# Altium PCB DWJC_Board2.PcbDoc (part 1 of 3) (continued)
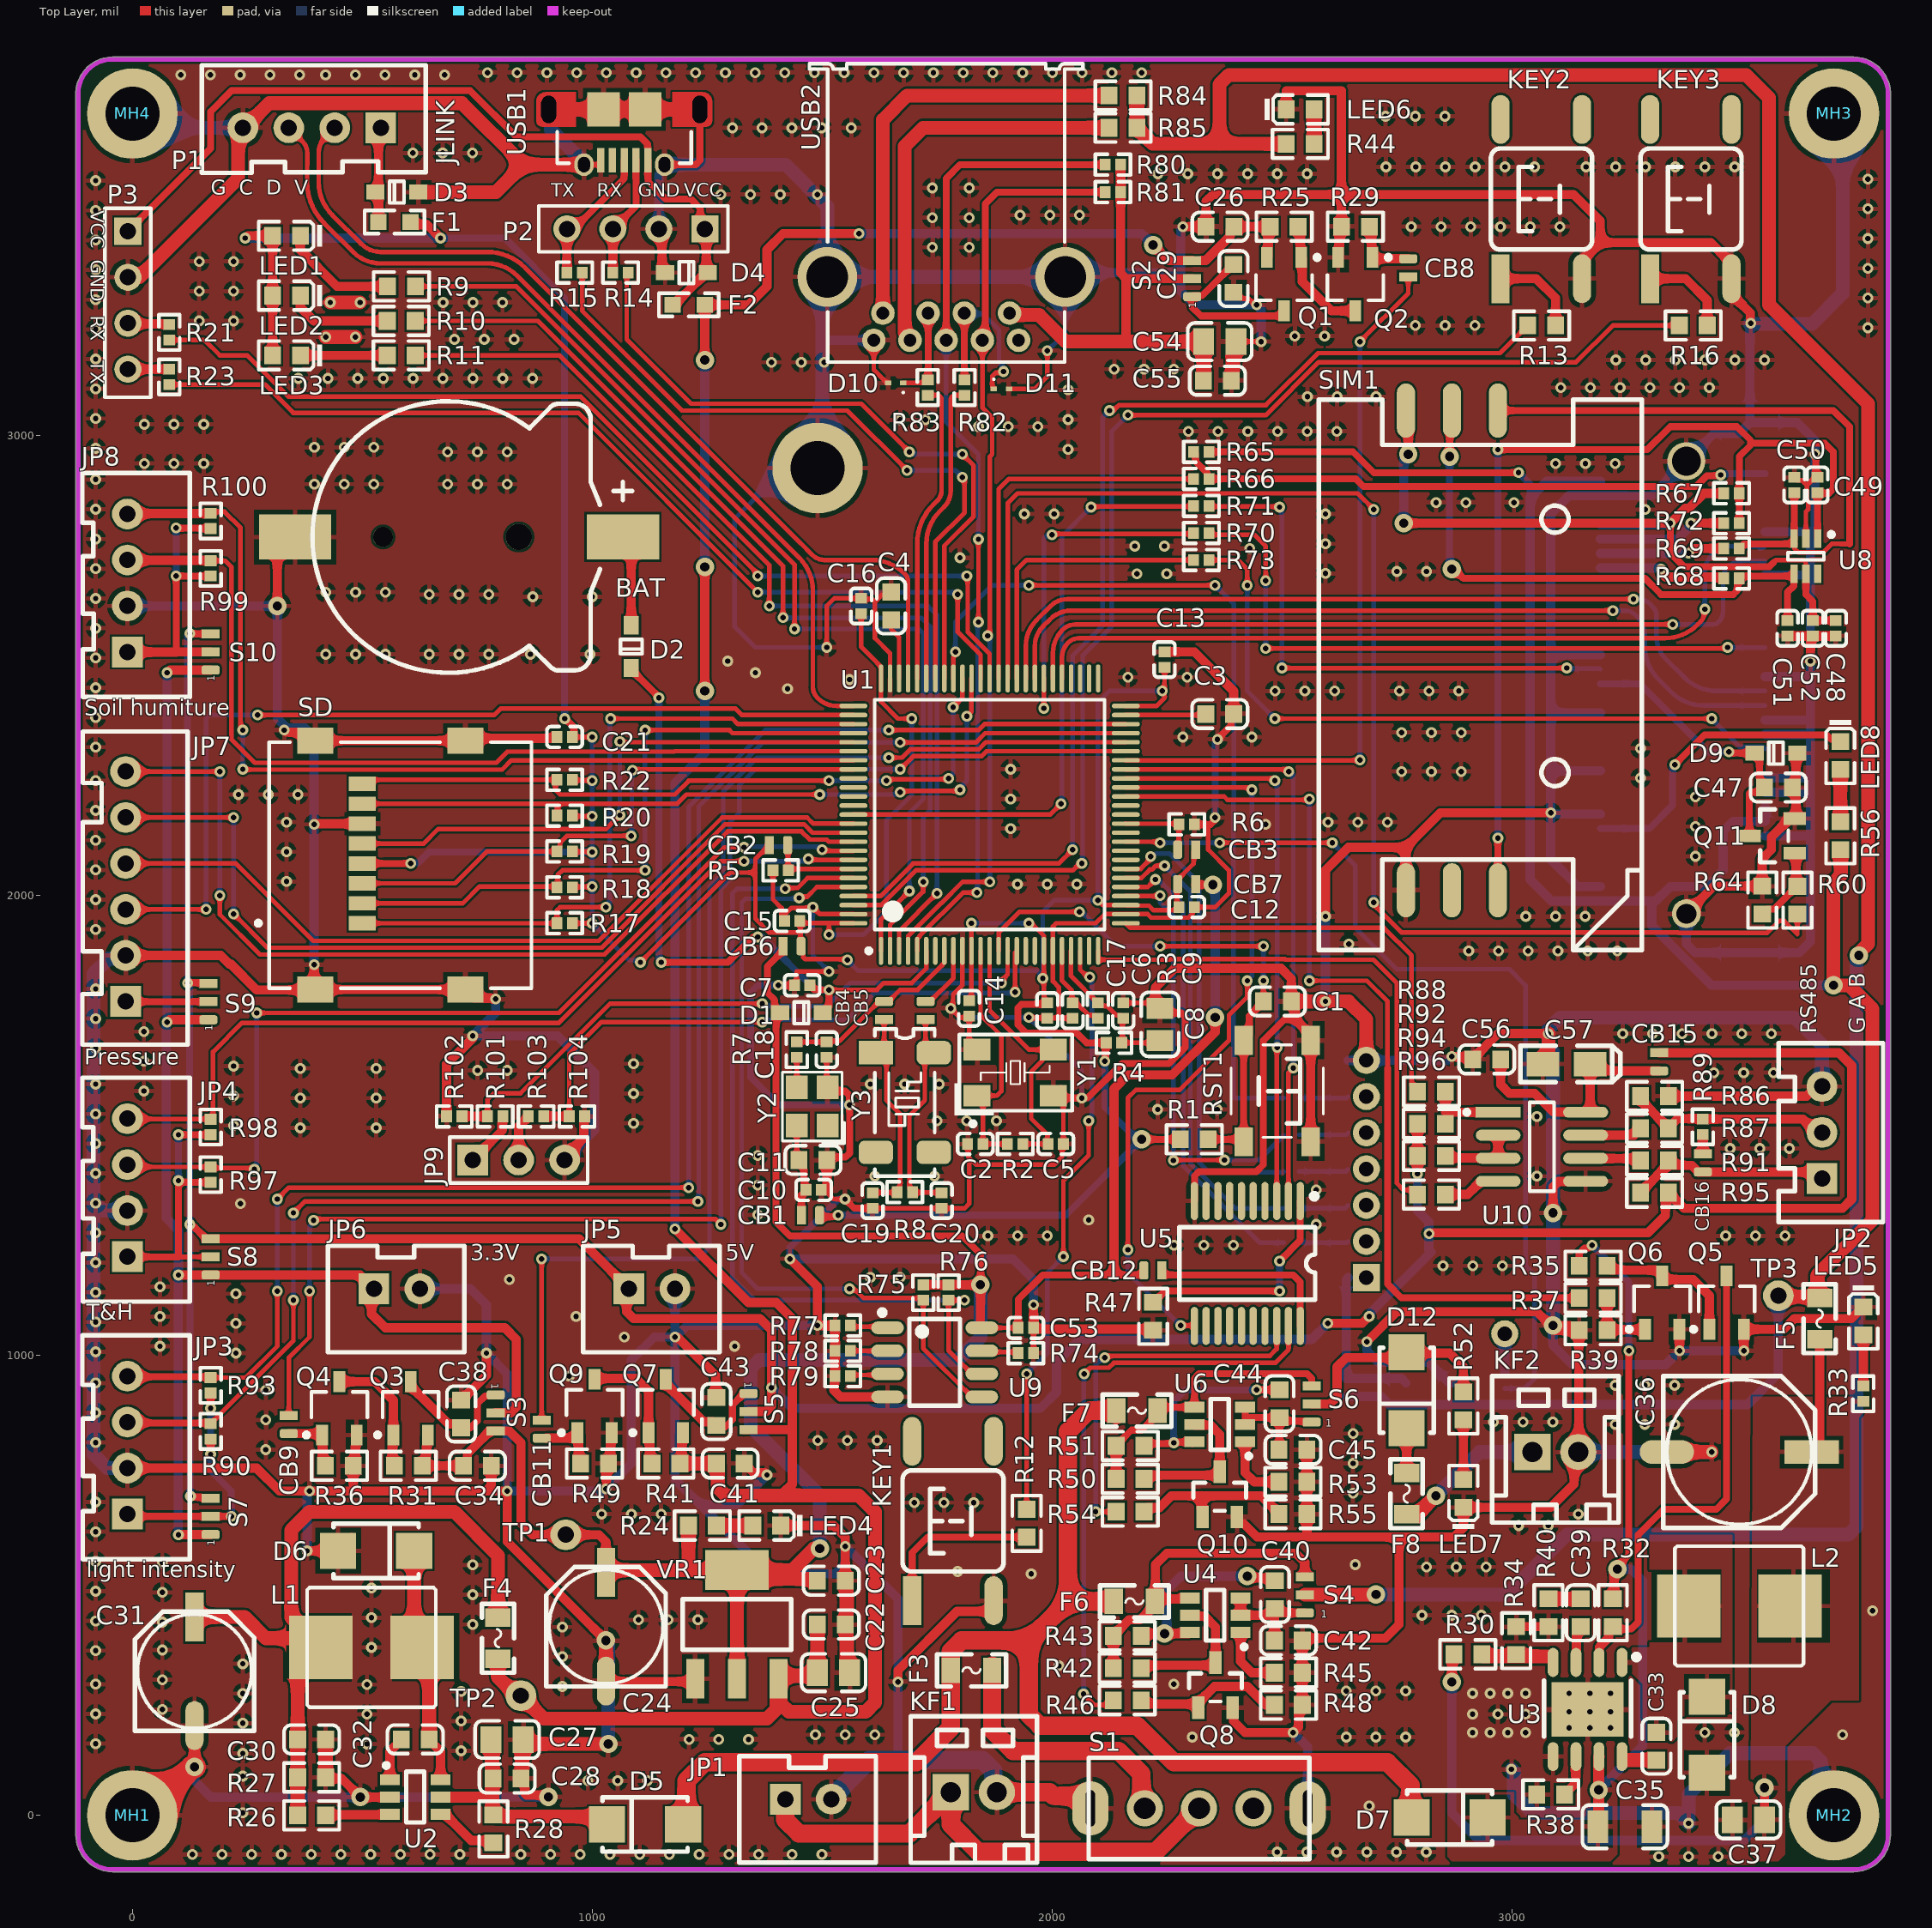
[diagram p0: Top Layer view]
## Components (designator, comment, footprint, x,y, rotation, side; value= is the part's Value field where it differs from the comment) (continued)
S2 "SW" SWITCH_SPOT 2305,3302.72 r90 top
S3 "SW" SWITCH_SPOT 790,914.37 r270 top
S4 "SW" SWITCH_SPOT 2550,440 r90 top
S5 "SW" SWITCH_SPOT 1340,917.28 r270 top
S6 "SW" SWITCH_SPOT 2565,855 r90 top
S7 "SW" SWITCH_SPOT 170,610.63 r90 top
S8 "SW" SWITCH_SPOT 170,1175 r90 top
S9 "SW" SWITCH_SPOT 165,1730 r90 top
S10 "SW" SWITCH_SPOT 170,2490.63 r90 top
SD "MicroSD Card" MOLX-47219-2001-8_V 561.02,2066.26 r90 top
SIM1 "SIM Card" "SIM Card" 2970,2011.69 r270 top
TP1 "TP" TP-SM-C-100-PIN 942.5,610 r0 top
TP2 "TP" TP-SM-C-100-PIN 845,260 r90 top
TP3 "TP" TP-SM-C-100-PIN 3580,1130 r90 top
U1 "STM32F407VGT6" STM-LQFP100_L 1864.37,2176.26 r90 top
U2 "MP2359DJ-LF-Z" SOT-23-6 615,39.43 r180 top
U3 "MP1584EN" SOIC-8_EP_150mil 3165,230 r180 top
U4 "FDC6330L" SOT-23-6 2355,435 r0 top
U5 "74HC573D" SSOP-20_208mil 2425,1200 r180 top
U6 "FDC6330L" SOT-23-6 2365,850 r0 top
U7 "WIFI" MT8266WIFI-H 2644.45,1755.79 r0 bottom
U8 "SMF05CT1G" SC-70-6(SOT-363) 3640,2738.19 r270 top
U9 "AT24C256C" SOIC-8_150mil 1745,985 r270 top
U10 "MAX13487EESA+" FP-S8-2-IPC_A 3065.75,1453.9 r0 top
USB1 "MicroUSB" MOLX-47589-0001 1069.72,3710 r180 top
USB2 "USB 3.0" USB3.0-i 1770,3485 r180 top
VR1 "AMS1117-3.3" SOT-223 1315,415 r270 top
Y1 "8MHz" XTAL-5032-4P 1920,1615 r0 top
Y2 "32.768KHz" XTAL-3225-4P 1478.46,1541.34 r90 top
Y3 "32.768KHz" "OSC MC-306" 1680,1550 r270 top

## Footprints (in the part's own frame and the unit in brackets; to place one, negate y for a bottom-side part, rotate by r counter-clockwise, add the part's x,y. Pads: shape width x height; smd on the part's side, far side on the other; paste and mask are expansions set on the pad)
0402_C [mm]
  rect 0.6x0.65 smd mask+0.051: 1(-0.425,0) 2(0.425,0)
  silkscreen extent -0.97,-0.58 0.97,0.58, body extent -0.48,-0.3 0.52,0.3, height 0.2
0402_R [mm]
  rect 0.6x0.65 smd mask+0.051: 1(-0.425,0) 2(0.425,0)
  silkscreen extent -0.97,-0.58 0.97,0.58, body extent -0.57,-0.27 0.58,0.28, height 0.41
0603_C [mm]
  rect 0.93x0.98 smd: 1(-0.77,0) 2(0.77,0)
  silkscreen extent -1.53,-0.79 1.54,0.79, body extent -0.8,-0.4 0.8,0.4, height 0.3
0603_LED_S1 [mm]
  rect 0.93x0.98 smd: A(0.77,0) K(-0.77,0)
  silkscreen extent -1.98,-0.79 1.54,0.79, body extent -0.8,-0.4 0.8,0.4, height 0.6
0603_R [mm]
  rect 0.93x0.98 smd: 1(-0.77,0) 2(0.77,0)
  silkscreen extent -1.53,-0.79 1.54,0.79, body extent -0.85,-0.4 0.85,0.4, height 0.56
0805_C [mm]
  rect 1.16x1.47 smd: 1(-0.89,0) 2(0.89,0)
  silkscreen extent -1.77,-1.04 1.77,1.04, body extent -1,-0.62 1,0.63, height 0.77
1206_C [mm]
  rect 1.13x1.8 smd: 1(-1.49,0) 2(1.49,0)
  silkscreen extent -2.36,-1.2 2.35,1.2, body extent -1.6,-0.81 1.6,0.79, height 1
CASE-A_3216 [mm]
  rect 1.8x1.35 smd: 1(1.31,0) 2(-1.31,0)
  silkscreen extent -2.54,-1 2.97,1, body extent -1.7,-0.84 1.7,0.84, height 1.71
CR1220_B [mm] "纽扣电池座"
  round 1.1 hole 1.1: 0(-3.6,0)
  round 1.45 hole 1.45: 0(3.9,0)
  rect 4x2.5 smd: 1(9.652,0) 2(-8.458,0)
  silkscreen extent -7.5,-7.5 10.16,7.5, body extent -9.42,-7.45 10.34,7.45, height 4.05
"CT 6*6 - C" [mm] "直径6mm，高6mm"
  rect 2.7x1 smd: 1(3,0)
  oval 2.7x1 smd: 2(-3,0)
  silkscreen extent -3.3,-3.3 3.3,3.3, body extent -3.5,-3.15 3.5,3.15, height 6
"CT 8*7 - C" [mm] "直径8mm，高7mm"
  rect 3x1.3 smd: 1(4,0)
  oval 3x1.3 smd: 2(-4,0)
  silkscreen extent -4.2,-4.2 4.2,4.2, body extent -4.5,-4.15 4.5,4.15, height 7
CW [mm]
  rect 0.5x1 smd: 1(0,0)
  rrect50% 0.5x1 smd: 2(1,0)
FP-S8-2-IPC_A [mil]
  rect 97.4x23.89 smd paste+0 mask+0: 1(-95.12,75)
  rrect100% 97.4x23.89 smd paste+0 mask+0: 2(-95.12,25) 3(-95.12,-25) 4(-95.12,-75) 5(95.12,-75) 6(95.12,-25) 7(95.12,25) 8(95.12,75)
  silkscreen extent -168,-96 27,96, body extent -164,-116 164,116, height 10
"FU 0603" [mil] "贴片保险丝"
  rect 35x35 smd: 1(-35,0) 2(35,0)
  silkscreen extent -65,-25 65,25, body extent -31,-16 31,16, height 20
"FU 0805" [mil] "贴片保险丝"
  rect 40x55 smd: 1(-45,0) 2(45,0)
  silkscreen extent -75,-35 75,35, body extent -39,-24 39,24, height 20
HDR-1X3 [mm] "排针，3脚"
  rect 1.7x1.7 hole 0.9: 1(0,0)
  round 1.7 hole 0.9: 2(2.54,0) 3(5.08,0)
  silkscreen extent -1.27,-1.27 6.35,1.27, body extent -1.27,-1.27 6.35,1.27, height 8.5
"HDR-4P UART" [mm] "Connector; Header; 4 Position"
  rect 1.5x1.5 hole 0.9: 1(0,0)
  round 1.5 hole 0.9: 2(2.54,0) 3(5.08,0) 4(7.62,0)
  silkscreen extent -1.27,-1.27 9.17,1.27, body extent -1.27,-1.27 8.89,1.27, height 8.5
KF2EDGK-2.54-LI-2P [mm] "长：6.93mm，宽：8.1mm，高：10.1mm"
  rect 2x2 hole 1.1: 1(-1.27,-0.009)
  round 2 hole 1.1: 2(1.27,-0.009)
  silkscreen extent -3.49,-3.91 3.49,4.19, body extent -3.49,-3.91 3.49,4.19, height 10.15
L_0630 [mm] "AMPI063 0ED; 6.6*7.1*0.3"
  rect 3.5x3.5 smd: 1(-2.794,0) 2(2.8,0)
  silkscreen extent -3.56,-3.3 3.56,3.3, body extent -3.56,-3.56 3.56,3.56, height 4
lh [mm]
  round 5 hole 3: 1(0,0)
MOLX-47219-2001-8_V [mm] "CONN, 8-Leads, Body 14.5x13.6mm, Pitch 1.1mm"
  rect 0.8x1.5 smd: 1(-3.205,1.55) 2(-2.105,1.55) 3(-1.005,1.55) 4(0.095,1.55) 5(1.195,1.55) 6(2.295,1.55) 7(3.395,1.55) 8(4.495,1.55)
  rect 1.45x2 smd: 9(6.875,4.15) 10(6.875,-4.15) 11(-6.875,-4.15) 12(-6.875,4.15)
  silkscreen extent -6.8,-7.8 6.8,7.42, body extent -7.3,-7.79 7.3,6.71, height 1.91
MOLX-47589-0001 [mm] "Micro USB 2.0 Type AB ，USB SMD, 5-Leads, Body 7.5x5.6mm, Pitch 0.65mm"
  rect 0.4x1.35 smd: 1(-1.3,2.805) 2(-0.65,2.805) 3(0,2.805) 4(0.65,2.805) 5(1.3,2.805)
  round 0 / inner oval 1.4x2.1 / far side oval 1.4x2.1 hole 0.825 slot 1.5 at 90 deg: Shell(-4.175,0)
  oval 1.05x1.25 hole 0.65 slot 0.85 at 90 deg: Shell(-2.225,3.055) Shell(2.225,3.055)
  rect 1.8x1.9 smd: Shell(-1.15,0) Shell(1.15,0)
  round 0 / inner round 0 / far side oval 1.4x2.1 hole 0.825 slot 1.5 at 90 deg: Shell(4.175,0)
  Top Layer region: 4.353,-0.95 4.544,-0.912 4.706,-0.804 4.814,-0.641 4.852,-0.45 4.852,-0.45 4.852,0.65 4.83,0.765 4.765,0.862 4.667,0.927 4.553,0.95 4.553,0.95 2.668,0.95 2.668,-0.95
  Top Layer region: -4.353,-0.95 -4.544,-0.912 -4.706,-0.804 -4.814,-0.641 -4.852,-0.45 -4.852,-0.45 -4.852,0.65 -4.83,0.765 -4.765,0.862 -4.667,0.927 -4.553,0.95 -4.553,0.95 -2.668,0.95 -2.668,-0.95
  silkscreen extent -3.7,1.25 3.7,2.97, body extent -4.3,-2.64 4.3,3.23, height 2.76
MT8266WIFI-H [mm] "Anylink-ESP8266"
  rect 2x1 smd: 1(0,14.9) 2(0,12.9) 3(0,10.9) 4(0,8.9) 5(0,6.9) 6(0,4.9) 7(0,2.9)
  rect 1.5x1.5 hole 0.8: 1(1,14.896)
  round 1.5 hole 0.8: 2(1,12.896) 3(1,10.896) 4(1,8.896) 5(1,6.896) 6(1,4.896) 7(1,2.896) 12(8.65,18)
  rect 1x2 smd: 8(2.65,0) 9(4.65,0) 10(6.65,0) 11(8.65,0) 12(8.65,17.8) 13(6.65,17.8) 14(4.65,17.8) 15(2.65,17.8)
  silkscreen extent 0,-0.2 21,18
ONSC-SOD-923-2-514AB-01_V [mm] "SOD, 2-Leads, Body 0.8x0.6mm"
  rect 0.36x0.25 smd: 1(-0.42,0) 2(0.42,0)
  silkscreen extent -0.47,0.48 -0.37,0.57, body extent -0.4,-0.3 0.4,0.3, height 0.4
"OSC MC-306" [mm] "8mm*3.2mm*2.54mm(长*宽*高)"
  rect 1.3x1.9 smd: 1(-2.75,-1.6)
  rrect50% 1.3x1.9 smd: 2(2.75,-1.6) 3(2.75,1.6) 4(-2.75,1.6)
  silkscreen extent -4.06,-1.65 4.06,1.65, body extent -4,-1.63 4,1.63, height 2.56
PCIEmin-i [mm]
  rect 0.5x2.5 smd: 1(24.3,4.35) 2(23.9,-4.75) 3(23.5,4.35) 4(23.1,-4.75) 5(22.7,4.35) 6(22.3,-4.75) 7(21.9,4.35) 8(21.5,-4.75) 9(21.1,4.35) 10(20.7,-4.75) 11(20.3,4.35) 12(19.9,-4.75) 13(19.5,4.35) 14(19.1,-4.75) 15(18.7,4.35) 16(18.3,-4.75) 17(14.7,4.35) 18(14.3,-4.75) 19(13.9,4.35) 20(13.5,-4.75) 21(13.1,4.35) 22(12.7,-4.75) 23(12.3,4.35) 24(11.9,-4.75) 25(11.5,4.35) 26(11.1,-4.75) 27(10.7,4.35) 28(10.3,-4.75) 29(9.9,4.35) 30(9.5,-4.75) 31(9.1,4.35) 32(8.7,-4.75) 33(8.3,4.35) 34(7.9,-4.75) 35(7.5,4.35) 36(7.1,-4.75) 37(6.7,4.35) 38(6.3,-4.75) 39(5.9,4.35) 40(5.5,-4.75) 41(5.1,4.35) 42(4.7,-4.75) 43(4.3,4.35) 44(3.9,-4.75) 45(3.5,4.35) 46(3.1,-4.75) 47(2.7,4.35) 48(2.3,-4.75) 49(1.9,4.35) 50(1.5,-4.75) 51(1.1,4.35) 52(0.7,-4.75)
  rect 2.3x3.2 smd: 53(27.133,3.512) 54(-2.15,3.5)
  round 2.1 hole 1.6: MH1(25,0)
  round 1.6 hole 1.1: MH2(0,0)
  round 5 hole 3: MH3(24.616,-48)
  silkscreen extent -3.47,-51.31 28.54,6.15, body extent -2.49,-4.8 27.51,4.5, height 9.9
SC-70-6(SOT-363) [mm]
  rect 1x0.42 smd mask+0.051: 1(-0.97,0.65) 2(-0.97,0) 3(-0.97,-0.65) 4(0.97,-0.65) 5(0.97,0) 6(0.97,0.65)
  silkscreen extent -1.32,-1 0.2,1.53, body extent -1.2,-1.1 1.2,1.1, height 1.1
"SIM Card" [mm] "MUP , 6P"
  oval 3x1 smd: 1(-26.5,-5.08) 2(-26.5,-2.54) 3(-26.5,0) 4(0,-5.08) 5(0,-2.54) 6(0,0)
  silkscreen extent -27.1,-9.89 3.3,7.96, body extent -26.48,-9.85 3.16,7.35, height 2.6
SMA(DO-214AC)_S1 [mm]
  rect 2x2 smd: 1(2.1,0) 2(-2.1,0)
  silkscreen extent -2.35,-1.5 2.35,1.5, body extent -2.52,-1.4 2.52,1.4, height 2.29
SOD-323 [mm]
  rect 1x0.83 smd: 1(1.18,0) 2(-1.18,0)
  silkscreen extent -0.4,-0.6 0.4,0.6, body extent -1.35,-0.62 1.35,0.63, height 1.1
SOIC-8_150mil [mm]
  oval 0.7x1.8 smd: 1(-1.905,-2.6) 2(-0.635,-2.6) 3(0.635,-2.6) 4(1.905,-2.6) 5(1.905,2.6) 6(0.635,2.6) 7(-0.635,2.6) 8(-1.905,2.6)
  silkscreen extent -2.9,-3.05 2.4,1.4, body extent -2.5,-3.1 2.5,3.1, height 1.75
SOIC-8_EP_150mil [mm]
  rect 4x3 smd: 0(0,0)
  oval 0.6x1.6 smd: 1(-1.905,-2.6) 2(-0.635,-2.6) 3(0.635,-2.6) 4(1.905,-2.6) 5(1.905,2.6) 6(0.635,2.6) 7(-0.635,2.6) 8(-1.905,2.6)
  silkscreen extent -2.85,-3.05 2.4,1.5, body extent -2.5,-3.1 2.5,3.1, height 1.75
SOT-23(SOT-23-3) [mm]
  rect 1.25x0.7 smd: 1(1.25,-0.95) 2(1.25,0.95) 3(-1.25,0)
  silkscreen extent -0.65,-1.46 0.9,1.46, body extent -1.5,-1.5 1.5,1.5, height 1.3
SOT-23-3L [mm] "http://www.aosmd.com/res/packaging_information/SOT-23-3L.pdf"
  rect 1.15x0.65 smd: 1(1.475,-0.95) 2(1.475,0.95) 3(-1.475,0)
  silkscreen extent -0.9,-1.95 1.6,1.55, body extent -0.9,-1.55 0.9,1.55, height 1.25
SOT-23-6 [mm]
  rect 1.1x0.6 smd: 1(1.4,-0.95) 2(1.4,0) 3(1.4,0.95) 4(-1.4,0.95) 5(-1.4,0) 6(-1.4,-0.95)
  silkscreen extent -0.5,-1.87 1.72,1.4, body extent -1.4,-1.45 1.4,1.45, height 1.45
SOT-223 [mm]
  rect 2.2x1 smd: 1(3,-2.3) 2(3,0) 3(3,2.3)
  rect 2.2x3.5 smd: 2(-3,0)
  silkscreen extent -1.4,-3 1.4,3, body extent -3.49,-3.24 3.49,3.24, height 1.64
"SS-12F23 (1P2T)  Straight foot" [mm] "脚距3mm"
  oval 2x3 hole 0.5 slot 2 at 90 deg: 0(-6,0) 0(6,0)
  round 2 hole 1.2: 1(-3,0) 2(0,0) 3(3,0)
  silkscreen extent -6.1,-2.8 6.1,2.8, body extent -7,-3.1 7,3.1, height 9.65
SSOP-20_208mil [mm]
  oval 0.4x2.1 smd mask+0.051: 1(-2.925,-3.45) 2(-2.275,-3.45) 3(-1.625,-3.45) 4(-0.975,-3.45) 5(-0.325,-3.45) 6(0.325,-3.45) 7(0.975,-3.45) 8(1.625,-3.45) 9(2.275,-3.45) 10(2.925,-3.45) 11(2.925,3.45) 12(2.275,3.45) 13(1.625,3.45) 14(0.975,3.45) 15(0.325,3.45) 16(-0.325,3.45) 17(-0.975,3.45) 18(-1.625,3.45) 19(-2.275,3.45) 20(-2.925,3.45)
  silkscreen extent -3.85,-3.86 3.75,2, body extent -3.22,-3.25 3.28,3.15, height 1.03
STM-LQFP100_L [mm] "Thin QFP, 100-Leads, Body 14x14mm, Pitch 0.5mm, IPC High Density"
  oval 1.55x0.25 smd: 1(-7.525,6) 2(-7.525,5.5) 3(-7.525,5) 4(-7.525,4.5) 5(-7.525,4) 6(-7.525,3.5) 7(-7.525,3) 8(-7.525,2.5) 9(-7.525,2) 10(-7.525,1.5) 11(-7.525,1) 12(-7.525,0.5) 13(-7.525,0) 14(-7.525,-0.5) 15(-7.525,-1) 16(-7.525,-1.5) 17(-7.525,-2) 18(-7.525,-2.5) 19(-7.525,-3) 20(-7.525,-3.5) 21(-7.525,-4) 22(-7.525,-4.5) 23(-7.525,-5) 24(-7.525,-5.5) 25(-7.525,-6) 51(7.525,-6) 52(7.525,-5.5) 53(7.525,-5) 54(7.525,-4.5) 55(7.525,-4) 56(7.525,-3.5) 57(7.525,-3) 58(7.525,-2.5) 59(7.525,-2) 60(7.525,-1.5) 61(7.525,-1) 62(7.525,-0.5) 63(7.525,0) 64(7.525,0.5) 65(7.525,1) 66(7.525,1.5) 67(7.525,2) 68(7.525,2.5) 69(7.525,3) 70(7.525,3.5) 71(7.525,4) 72(7.525,4.5) 73(7.525,5) 74(7.525,5.5) 75(7.525,6)
  oval 0.25x1.55 smd: 26(-6,-7.525) 27(-5.5,-7.525) 28(-5,-7.525) 29(-4.5,-7.525) 30(-4,-7.525) 31(-3.5,-7.525) 32(-3,-7.525) 33(-2.5,-7.525) 34(-2,-7.525) 35(-1.5,-7.525) 36(-1,-7.525) 37(-0.5,-7.525) 38(0,-7.525) 39(0.5,-7.525) 40(1,-7.525) 41(1.5,-7.525) 42(2,-7.525) 43(2.5,-7.525) 44(3,-7.525) 45(3.5,-7.525) 46(4,-7.525) 47(4.5,-7.525) 48(5,-7.525) 49(5.5,-7.525) 50(6,-7.525) 76(6,7.525) 77(5.5,7.525) 78(5,7.525) 79(4.5,7.525) 80(4,7.525) 81(3.5,7.525) 82(3,7.525) 83(2.5,7.525) 84(2,7.525) 85(1.5,7.525) 86(1,7.525) 87(0.5,7.525) 88(0,7.525) 89(-0.5,7.525) 90(-1,7.525) 91(-1.5,7.525) 92(-2,7.525) 93(-2.5,7.525) 94(-3,7.525) 95(-3.5,7.525) 96(-4,7.525) 97(-4.5,7.525) 98(-5,7.525) 99(-5.5,7.525) 100(-6,7.525)
  silkscreen extent -7.65,-6.35 6.35,6.8, body extent -7,-7 7,7, height 1.6
SWITCH_SPOT [mm]
  rrect50% 0.5x1 smd: 1(0,0)
  rect 0.5x1 smd: 2(1,0) 3(2,0)
TP-SM-C-100-PIN [mm] "Test Point, Surface Mounting, Circular, Pad Diameter 1mm"
  round 1.7 hole 0.9: 1(0,0)
"TSW SMD-4*4*1.5" [mm] "轻触开关，长宽高：4*4*1.5mm"
  rect 1.6x1 smd: 1(-2.8,1.85) 1(2.8,1.85) 2(-2.8,-1.85) 2(2.8,-1.85)
  silkscreen extent -2.55,-2.55 2.55,2.55, body extent -3.2,-2.6 3.2,2.6, height 1.5
"TSW SMD-6*6*5" [mm] "6*6*5mm"
  rect 2.7x1 smd: 1(-4.4,2.261)
  oval 2.7x1 smd: 2(-4.4,-2.239) 3(4.4,-2.239) 4(4.4,2.261)
  silkscreen extent -2.79,-2.79 2.79,2.79, body extent -4.5,-3 4.5,3, height 4.95
USB3.0-i [mm] "USB 3.0 Type A Horizontal"
  round 1.3 hole 0.7: 1(-3.5,5.54) 2(-1,5.54) 3(1,5.54) 4(3.5,5.54) 5(4,7.04) 6(2,7.04) 7(0,7.04) 8(-2,7.04) 9(-4,7.04)
  round 3.3 hole 2.3: Shell(-6.57,3.54) Shell(6.57,3.54)
  silkscreen extent -7.55,-8.24 7.55,8.24, body extent -7.74,-8.24 7.74,8.31, height 8.03
XH2.54-2P [mm] "接插件，2P"
  rect 1.7x1.7 hole 0.9: 1(0,0)
  round 1.7 hole 0.9: 2(2.54,0)
  silkscreen extent -2.54,-3.51 5.01,2.37, body extent -2.5,-3.3 5.04,2.4, height 7.05
XH2.54-3P [mm] "接插件，3P"
  rect 1.7x1.7 hole 0.9: 1(0,0)
  round 1.7 hole 0.9: 2(2.54,0) 3(5.08,0)
  silkscreen extent -2.41,-3.38 7.47,2.39, body extent -2.5,-3.3 7.58,2.4, height 7.03
XH2.54-4P [mm] "接插件，4P"
  rect 1.7x1.7 hole 0.9: 1(0,0)
  round 1.7 hole 0.9: 2(2.54,0) 3(5.08,0) 4(7.62,0)
  silkscreen extent -2.49,-3.45 9.88,2.49, body extent -2.5,-3.3 10.12,2.4, height 7.03
XH2.54-6P [mm] "接插件，6P"
  rect 1.7x1.7 hole 0.9: 1(0,0)
  round 1.7 hole 0.9: 2(2.54,0) 3(5.08,0) 4(7.62,0) 5(10.16,0) 6(12.7,0)
  silkscreen extent -2.39,-3.43 14.91,2.39, body extent -2.5,-3.3 15.2,2.4, height 7.03
XTAL-3225-4P [mm] "3.2*2.5*0.7mm(长宽高)"
  rect 1.3x1.2 smd: 1(-1.05,-0.85) 2(1.05,-0.85) 3(1.05,0.85) 4(-1.05,0.85)
  silkscreen extent -2.03,-1.75 1.91,1.65, body extent -1.6,-1.25 1.6,1.25, height 0.7
XTAL-5032-4P [mm]
  rect 1.5x1.2 smd: 1(-2.108,-1.27) 2(2.108,-1.27) 3(2.108,1.27) 4(-2.108,1.27)
  silkscreen extent -3.35,-2.95 3.15,2.11, body extent -2.5,-1.6 2.5,1.6, height 1

## Part data
C1 C22 C23 C28 C30 C33 C42 C45 C47 C55 C56: library part "Cap 0603 100nF (104) 10% 50V", "贴片电容", Package=0603, SuppliersPartNumber=C14663, ComponentLink1Description=供?, ComponentLink1URL=http://www.szlcsc.com/product/details_15331.html, Supplier=LC
C2 C5: library part "Cap 0402 22pF (220) 5% 50V", "贴片电容", Package=0402, SuppliersPartNumber=C1555, ComponentLink1Description=供?, ComponentLink1URL=http://www.szlcsc.com/product/details_1907.html, Supplier=LC
C3 C4: library part "Cap 0603 2.2uF (225) 10% 16V", "贴片电容", Package=0603, SuppliersPartNumber=C23630, ComponentLink1Description=供?, ComponentLink1URL=http://www.szlcsc.com/product/details_24366.html, Supplier=LC
C6 C7 C9 C12 C13 C14 C15 C16 C17 C21 C48 C53: library part "Cap 0402 100nF (104) 10% 16V", "贴片电容", Package=0402, SuppliersPartNumber=C1525, ComponentLink1Description=供?, ComponentLink1URL=http://www.szlcsc.com/product/details_1877.html, Supplier=LC
C8 C25 C27 C54: library part "Cap 0805 10uF (106) 10% 25V", "贴片电容", Package=0805, SuppliersPartNumber=C15850, ComponentLink1Description=供?, ComponentLink1URL=http://www.szlcsc.com/product/details_16532.html, Supplier=LC
C10: library part "Cap 0402 1nF (102) 10% 50V", "贴片电容", Package=0402, SuppliersPartNumber=C1523, ComponentLink1Description=供?, ComponentLink1URL=http://www.szlcsc.com/product/details_1875.html, Supplier=LC
C11: library part "Cap 0603 10uF (106) 10% 10V", "贴片电容", Package=0603, SuppliersPartNumber=C19702, ComponentLink1Description=供?, ComponentLink1URL=http://www.szlcsc.com/product/details_20411.html, Supplier=LC
C18: library part "Cap 0402 10pF (100) 5% 50V", "贴片电容", Package=0402, SuppliersPartNumber=C32949, ComponentLink1Description=供?, ComponentLink1URL=http://www.szlcsc.com/product/details_33914.html, Supplier=LC
C19 C20: library part "Cap 0402 6pF (6R0) 0.25pF 50V", "贴片电容", Package=0402, SuppliersPartNumber=C30274, ComponentLink1Description=供?, ComponentLink1URL=http://www.szlcsc.com/product/details_31031.html, Supplier=LC
C24 C31: library part "Cap+ CT6.3*5.4 220uF/16V", "电解电容"
C26 C29 C34 C38 C41 C43: library part "Cap 0603 1uF (105) 10% 50V", "贴片电容", Package=0603, SuppliersPartNumber=C15849, ComponentLink1Description=供?, ComponentLink1URL=http://www.szlcsc.com/product/details_16531.html, Supplier=LC
C32: library part "Cap 0603 10nF (103) 10% 50V", "贴片电容", Package=0603, SuppliersPartNumber=C57112, ComponentLink1Description=供?, ComponentLink1URL=http://www.szlcsc.com/product/details_58143.html, Supplier=LC
C35: library part "Cap 1206 10uF (106) 10% 50V", "贴片电容", Package=1206, SuppliersPartNumber=C13585, ComponentLink1Description=供?, ComponentLink1URL=http://www.szlcsc.com/product/details_14236.html, Supplier=LC
C36: library part "Cap+ CT8*10.2 470uF/16V", "电解电容"
C37: library part "Cap 0805 22uF (226) 20% 25V", "贴片电容", Package=0805, SuppliersPartNumber=C45783, ComponentLink1Description=供?, ComponentLink1URL=http://www.szlcsc.com/product/details_46786.html, Supplier=LC
C39: library part "Cap 0603 220pF (221) 10% 50V", "贴片电容", Package=0603, SuppliersPartNumber=C1603, ComponentLink1Description=供?, ComponentLink1URL=http://www.szlcsc.com/product/details_1955.html, Supplier=LC
C40 C44: library part "Cap 0603 1nF (102) 10% 50V", "贴片电容", Package=0603, SuppliersPartNumber=C1588, ComponentLink1Description=供?, ComponentLink1URL=http://www.szlcsc.com/product/details_1940.html, Supplier=LC
C46 C57: library part "Cap 3216 10uF (106) 10% 16V", "钽电容", Package=3216, SuppliersPartNumber=C7171, ComponentLink1Description=供?, ComponentLink1URL=http://www.szlcsc.com/product/details_7643.html, Supplier=LC
C49 C50 C51 C52: library part "Cap 0402 33pF (330) 5% 50V", "贴片电容", Package=0402, SuppliersPartNumber=C1562, ComponentLink1Description=供?, ComponentLink1URL=http://www.szlcsc.com/product/details_1914.html, Supplier=LC
CB1 CB2 CB3 CB4 CB5 CB6 CB7 CB8 CB9 CB11 CB12 CB14 CB15 CB16: library part "Circuit Breaker", "Circuit Breaker", LatestRevisionDate=17-Jul-2002, LatestRevisionNote="Re-released for DXP Platform.", PackageReference=SPST-2, Published=24-Mar-1999, Publisher="Altium Limited"
D1 D2: library part "DIO SOD-323 1N4148WS T4", "二极管", Package=SOD-323, SuppliersPartNumber=C2128, ComponentLink1Description=供?, ComponentLink1URL=http://www.szlcsc.com/product/details_2485.html, Supplier=LC
D3: library part "SOD-323 LESD3Z3.3T1G", "TVS/ESD, SOD-323, 3.3V", Package=SMB/DO-214AA, SuppliersPartNumber=C78395, ComponentLink1Description=供?, ComponentLink1URL=http://www.szlcsc.com/product/details_79530.html, Supplier=LC
D4 D9: library part "SOD-323 LESD3Z5.0T1G", "TVS/ESD, SOD-323, 5V", Package=SMB/DO-214AA, SuppliersPartNumber=C78395, ComponentLink1Description=供?, ComponentLink1URL=http://www.szlcsc.com/product/details_79530.html, Supplier=LC
D5 D6 D7 D8 D12: library part "SMA(DO-214AC) SS24", "肖特基二极管", Package=SMA(DO-214AC), SuppliersPartNumber=C22452, ComponentLink1Description=供?, ComponentLink1URL=http://www.szlcsc.com/product/details_23178.html, Supplier=LC
D10 D11: library part "SOD-923 ESD9L5.0ST5G", "Transient Voltage Suppressor, ESD Protection Diode with Ultra-Low Capacitance, 2-Pin SOD-923, Pb-Free, Tape and Reel, CMP-1063-00114-1", Manufacturer="On Semiconductor", C Max (pF)=0.9, ComponentLink1Description="Manufacturer URL", ComponentLink1URL=http://www.onsemi.com/, ComponentLink2Description=Datasheet, ComponentLink2URL=http://www.onsemi.cn/pub_link/Collateral/ESD9L-D.PDF, ComponentLink3Description="Package Specification", ComponentLink3URL=http://www.onsemi.com/pub_link/Collateral/514AB.PDF, DatasheetVersion="Rev. 5", Direction=Unidirectional, IR Max (uA)=1, Mounting Technology="Surface Mount", Number of Lines=1, PackageDescription="2-Pin SOD, Body 0.8 x 0.6 mm", PackageReference=SOD-923-2-514AB-01, PackageVersion="Rev. C, 03/2011", Packing="Tape and Reel", PartNumber=ESD9L5.0ST5G, RoHS=Pb-Free, V(BR) Min (V)=5.4, VRWM Max (V)=5
F1 F2: library part "FU PPTC MSMD 5V 1A", "自恢复保险丝"
F3: library part "FU PPTC MSMD 5V 3A", "自恢复保险丝"
F4 F5: library part "FU PPTC MSMD 5V 2A", "自恢复保险丝"
F6 F7 F8: library part "FU PPTC MSMD 12V 1A", "自恢复保险丝"
J1: library part PCIE-Mini, "Female Header, Pitch 0.8 mm, 2 x 26 Position, Height 9.9 mm, -40 to 85 degC, RoHS, Tape and Reel, CMP-2000-05614-1, 48338-0099", Manufacturer=Molex, Package Description="52-Pin Surface Mount Device, Body 30 x 9.3 mm, Pitch 0.8 mm", Package Reference=48338-0099, =0483380099, Brand=Molex, Contact Material=CopperAlloy, Contact Plating=Gold, Datasheet URL=http://www.molex.com/pdm_docs/sd/483380099_sd.pdf, Datasheet Version="Rev. F, 06/2009", Factory Pack Quantity=300, Housing Material=Thermoplastic, Manufacturer URL=http://www.molex.com/, Mounting Angle=Right, Mounting Style=SMD/SMT, Mounting Technology=SurfaceMount, Number of Positions=52, Number of Positions / Contacts=52, Packaging=Reel, Product Category=PCIExpress/PCIConnectors, Product Type=MiniPCI, RoHS=Details, Series=48338
JP1 JP5 JP6: library part "Header XH-2.56-2P", "Male Header, Pitch 2.5 mm, 1 x 2 Position, Height 7 mm, Tail Length 3.4 mm, -25 to 85 degC, RoHS, Bulk", Manufacturer=JST, Package Description="Male Header, Pitch 2.5 mm, 1 x 2 Position, Height 7 mm, Tail Length 3.4 mm", Package Reference=B2B-XH-A, Datasheet URL=http://www.jst-mfg.com/product/pdf/eng/eXH.pdf, Datasheet Version=05/2016, Manufacturer URL=http://www.jst.com/home2.html, Mounting Technology=ThroughHole, No of Positions=2, Pitch=2.5mm, Style/Orientation=StraightHeader/Plug, Termination=Crimp, Type=ShroudedHeader
JP2 JP9: library part "Header HDR-1X3", "3P接插件"
JP3 JP4 JP8 P1: library part "Header XH-2.56-4P", "Male Header, Pitch 2.5 mm, 1 x 4 Position, Height 7 mm, Tail Length 8.4 mm, -25 to 85 degC, RoHS, Bulk", Manufacturer=JST, Package Description="Male Header, Pitch 2.5 mm, 1 x 2 Position, Height 7 mm, Tail Length 3.4 mm", Package Reference=B2B-XH-A, Datasheet URL=http://www.jst-mfg.com/product/pdf/eng/eXH.pdf, Datasheet Version=05/2016, Manufacturer URL=http://www.jst.com/home2.html, Mounting Technology=ThroughHole, No of Positions=2, Pitch=2.5mm, Style/Orientation=StraightHeader/Plug, Termination=Crimp, Type=ShroudedHeader
JP7: library part "Header XH-2.56-6P", "Male Header, Pitch 2.5 mm, 1 x 4 Position, Height 7 mm, Tail Length 8.4 mm, -25 to 85 degC, RoHS, Bulk", Manufacturer=JST, Package Description="Male Header, Pitch 2.5 mm, 1 x 2 Position, Height 7 mm, Tail Length 3.4 mm", Package Reference=B2B-XH-A, Datasheet URL=http://www.jst-mfg.com/product/pdf/eng/eXH.pdf, Datasheet Version=05/2016, Manufacturer URL=http://www.jst.com/home2.html, Mounting Technology=ThroughHole, No of Positions=2, Pitch=2.5mm, Style/Orientation=StraightHeader/Plug, Termination=Crimp, Type=ShroudedHeader
KEY1 KEY2 KEY3: library part KEY_M
KF1 KF2: library part KF2EDGK-2.54-2P, "2P, DC,KF2EDGK-2.54"
L1: library part "IUD 0630-4.7uH/2.45A 10%", "一体成型贴片电感", ComponentLink1Description=供?, ComponentLink1URL=http://www.szlcsc.com/product/details_12684.html
L2: library part "IUD 0630-10uH/2.45A 10%", "一体成型贴片电感", ComponentLink1Description=供?, ComponentLink1URL=http://www.szlcsc.com/product/details_12684.html
LED1: library part "LED 0603 绿灯", "发光二极管", Package=0603, SuppliersPartNumber=C72043, ComponentLink1Description=供?, ComponentLink1URL=http://www.szlcsc.com/product/details_73152.html, Supplier=LC
LED2 LED5 LED6 LED7: library part "LED 0603 黄灯", "发光二极管", Package=0603, SuppliersPartNumber=C72038, ComponentLink1Description=供?, ComponentLink1URL=http://www.szlcsc.com/product/details_73147.html, Supplier=LC
LED3 LED8: library part "LED 0603 蓝灯", "发光二极管", Package=0603, SuppliersPartNumber=C72041, ComponentLink1Description=供?, ComponentLink1URL=http://www.szlcsc.com/product/details_73150.html, Supplier=LC
LED4: library part "LED 0603 红灯", "发光二极管", Package=0603, SuppliersPartNumber=C2286, ComponentLink1Description=供?, ComponentLink1URL=http://www.szlcsc.com/product/details_2659.html, Supplier=LC
MH1 MH2 MH3 MH4: library part LocatingHole
P2 P3: library part "HAR-4P UART", "Header, 4-Pin", LatestRevisionDate=17-Jul-2002, LatestRevisionNote="Re-released for DXP Platform.", Publisher="Altium Limited"
Q1 Q3 Q7: library part "PMOS SOT-23 AO3401A X13A15", "MOS(场效应管) PMOS", Package=SOT-23, SuppliersPartNumber=C15127, ComponentLink1Description=供?, ComponentLink1URL=http://www.szlcsc.com/product/details_15801.html, Supplier=LC
Q2 Q4 Q5 Q6 Q9: library part "NMOS SOT-23 AO3400A X0YV1T", "MOS(场效应管) NMOS", Package=SOT-23, SuppliersPartNumber=C20917, ComponentLink1Description=供?, ComponentLink1URL=http://www.szlcsc.com/product/details_21629.html, Supplier=LC
Q8 Q10 Q11: library part "NPN SOT-23 SS8050 Y1", "NPN 三极管", Package=SOT-23, SuppliersPartNumber=C2150, ComponentLink1Description=供?, ComponentLink1URL=http://www.szlcsc.com/product/details_2507.html, Supplier=LC
R1 R37 R44 R52 R92 R94: library part "Res 0603 10KΩ (1002) 1%", "贴片电阻", Package=0603, SuppliersPartNumber=C25804, ComponentLink1Description=供?, ComponentLink1URL=http://www.szlcsc.com/product/details_26547.html, Supplier=LC
R2 R8: library part "Res 0402 1MΩ (1004) 1%", "贴片电阻", Package=0402, SuppliersPartNumber=C26083, ComponentLink1Description=供?, ComponentLink1URL=http://www.szlcsc.com/product/details_26826.html, Supplier=LC
R3 R57 R58 R59 R61 R62 R63 R82 R83 R101 R102 R103 R104: library part "Res 0402 0Ω (0R0) 1%", "贴片电阻", Package=0402, SuppliersPartNumber=C17168, ComponentLink1Description=供?, ComponentLink1URL=http://www.szlcsc.com/product/details_17853.html, Supplier=LC
R4 R7 R14 R15 R21 R23: library part "Res 0402 10Ω (10R0) 1%", "贴片电阻", Package=0402, SuppliersPartNumber=C25077, ComponentLink1Description=供?, ComponentLink1URL=http://www.szlcsc.com/product/details_25820.html, Supplier=LC
R5 R6 R33 R65 R74 R77 R78 R79 R80 R81: library part "Res 0402 10KΩ (1002) 1%", "贴片电阻", Package=0402, SuppliersPartNumber=C25744, ComponentLink1Description=供?, ComponentLink1URL=http://www.szlcsc.com/product/details_26487.html, Supplier=LC
R9 R10 R11 R12 R13 R16 R24 R45 R46 R47 R53 R54 R56 R60 R64 R86 R95: library part "Res 0603 4.7KΩ (4701) 1%", "贴片电阻", Package=0603, SuppliersPartNumber=C23162, ComponentLink1Description=供?, ComponentLink1URL=http://www.szlcsc.com/product/details_23889.html, Supplier=LC
R17 R18 R19 R20 R22: library part "Res 0402 47KΩ (4702) 1%", "贴片电阻", Package=0402, SuppliersPartNumber=C25792, ComponentLink1Description=供?, ComponentLink1URL=http://www.szlcsc.com/product/details_26535.html, Supplier=LC
R25 R28 R29 R31 R32 R35 R36 R39 R41 R43 R49 R51: library part "Res 0603 100KΩ (1003) 1%", "贴片电阻", Package=0603, SuppliersPartNumber=C25803, ComponentLink1Description=供?, ComponentLink1URL=http://www.szlcsc.com/product/details_26546.html, Supplier=LC
R26: library part "Res 0603 49.9KΩ (4992) 1%", "贴片电阻", Package=0603, SuppliersPartNumber=C23184, ComponentLink1Description=供?, ComponentLink1URL=http://www.szlcsc.com/product/details_23911.html, Supplier=LC
R27: library part "Res 0603 9.53KΩ (95B) 1%", "贴片电阻", Package=0603, SuppliersPartNumber=C23159, ComponentLink1Description=供?, ComponentLink1URL=http://www.szlcsc.com/product/details_23886.html, Supplier=LC
R30: library part "Res 0603 124KΩ 1%", "贴片电阻", Package=0603, SuppliersPartNumber=C22975, ComponentLink1Description=供?, ComponentLink1URL=http://www.szlcsc.com/product/details_23702.html, Supplier=LC
R34: library part "Res 0603 40.2KΩ 1%", "贴片电阻", Package=0603, SuppliersPartNumber=C22975, ComponentLink1Description=供?, ComponentLink1URL=http://www.szlcsc.com/product/details_23702.html, Supplier=LC
R38: library part "Res 0603 200KΩ (2003) 1%", "贴片电阻", Package=0603, SuppliersPartNumber=C25811, ComponentLink1Description=供?, ComponentLink1URL=http://www.szlcsc.com/product/details_26554.html, Supplier=LC
R40: library part "Res 0603 68.1KΩ 1%", "贴片电阻", Package=0603, SuppliersPartNumber=C22975, ComponentLink1Description=供?, ComponentLink1URL=http://www.szlcsc.com/product/details_23702.html, Supplier=LC
R42 R50: library part "Res 0603 51KΩ (5102) 1%", "贴片电阻", Package=0603, SuppliersPartNumber=C23196, ComponentLink1Description=供?, ComponentLink1URL=http://www.szlcsc.com/product/details_23923.html, Supplier=LC
R48 R55: library part "Res 0603 47KΩ (4702) 1%", "贴片电阻", Package=0603, SuppliersPartNumber=C25819, ComponentLink1Description=供?, ComponentLink1URL=http://www.szlcsc.com/product/details_26562.html, Supplier=LC
R66 R68 R69 R70 R71 R72 R73: library part "Res 0402 22Ω (22R0) 1%", "贴片电阻", Package=0402, SuppliersPartNumber=C25092, ComponentLink1Description=供?, ComponentLink1URL=http://www.szlcsc.com/product/details_25835.html, Supplier=LC
R67: library part "Res 0402 15KΩ (1502) 1%", "贴片电阻", Package=0402, SuppliersPartNumber=C25756, ComponentLink1Description=供?, ComponentLink1URL=http://www.szlcsc.com/product/details_26499.html, Supplier=LC
R75 R76 R90 R93 R97 R98 R99 R100: library part "Res 0402 4.7KΩ (4701) 1%", "贴片电阻", Package=0402, SuppliersPartNumber=C25900, ComponentLink1Description=供?, ComponentLink1URL=http://www.szlcsc.com/product/details_26643.html, Supplier=LC
R84 R85: library part "Res 0603 0Ω (0R0) 1%", "贴片电阻", Package=0603, SuppliersPartNumber=C21189, ComponentLink1Description=供?, ComponentLink1URL=http://www.szlcsc.com/product/details_21903.html, Supplier=LC
R87 R91: library part "Res 0603 10Ω (10R0) 1%", "贴片电阻", Package=0603, SuppliersPartNumber=C22859, ComponentLink1Description=供?, ComponentLink1URL=http://www.szlcsc.com/product/details_23586.html, Supplier=LC
R88 R96: library part "Res 0603 22Ω (22R0) 1%", "贴片电阻", Package=0603, SuppliersPartNumber=C23345, ComponentLink1Description=供?, ComponentLink1URL=http://www.szlcsc.com/product/details_24078.html, Supplier=LC
R89: library part "Res 0402 120Ω (1200) 1%", "贴片电阻", Package=0402, SuppliersPartNumber=C25079, ComponentLink1Description=供?, ComponentLink1URL=http://www.szlcsc.com/product/details_25822.html, Supplier=LC
RST1: library part KEY_TWS
S1: library part "SW SSW-1P_2", "1路波动开关"
S2 S3 S4 S5 S6 S7 S8 S9 S10: library part "SW SPOT_SW-1P", "1路开关"
SD: library part MicroSD_Card, "MicroSD Card Connector, Hinge Type, -40 to 85 degC, 8-Pin SMD, RoHS, Tape and Reel, CMP-2000-05245-1", Current Rating=500mA, Manufacturer=Molex, Voltage Rating=100VDC, =0472192001, Brand=Molex, Card Type=microSD, Contact Material=CopperAlloy, Datasheet URL=http://www.molex.com/pdm_docs/sd/472192001_sd.pdf, Datasheet Version="Rev. F, 06/2009", Factory Pack Quantity=2400, Housing Material=Thermoplastic, Insertion - Extraction Style=Hinged, Manufacturer URL=http://www.molex.com/, Mounting Style=SMD/SMT, Number of Contacts=8, Packaging=Reel, Pitch=1.09mm, Product=CardConnectors, Product Category=MemoryCardConnectors, RoHS=Details, Series=47219, Termination Style=SMD
SIM1: library part "SIM Card MUP", "MUP, 6P", Manufacturer="Wurth Elektronik", Operating Temperature=-25to85degC, Package Reference=693010020611, Rated Current=0.5A, Withstanding Voltage=500VAC, Working Voltage=50VAC, Datasheet URL=https://katalog.we-online.de/em/datasheet/693010020611.pdf, Manufacturer URL=http://www.we-online.de, Mounting Technology=SMT, Packaging=TapeandReel, Part Number=693010020611, Publisher=WurthElektronik, Taobao=https://item.taobao.com/item.htm?spm=a230r.1.14.37.7dfabe7eHV2uMn&id=550214241835&ns=1&abbucket=6#detail
TP1 TP2 TP3: library part TP-SM-C100-PIN, "Test Point, Surface Mount, Circular, Pad Diameter 1.27 mm", ComponentLink1Description="Manufacturer URL", ComponentLink1URL=http://www.keyelco.com/, ComponentLink2Description=Datasheet, ComponentLink2URL=http://www.keyelco.com/product-pdf.cfm?p=1320
U1: "ARM", Package=LQFP-100_14x14x05P, SuppliersPartNumber=C12345, ComponentLink1Description=供?, ComponentLink1URL=http://www.szlcsc.com/product/details_12968.html, Supplier=LC
U2: library part MP2359DJ-LF-Z_[C14259], "DC-DCоƬ", Package=SOT-23-6, SuppliersPartNumber=C14259, ComponentLink1Description=供?, ComponentLink1URL=http://www.szlcsc.com/product/details_14917.html, Supplier=LC
U3: library part MP1584EN-LF-Z_[C15051], "DC-DCоƬ", Package=SOIC-8_EP_150mil, SuppliersPartNumber=C15051, ComponentLink1Description=供?, ComponentLink1URL=http://www.szlcsc.com/product/details_15724.html, Supplier=LC
U4 U6: "Integrated Load Switch, 3 to 20 V, -55 to 150 degC, 6-Pin SOT23, RoHS, Tape and Reel, CMP-2000-04940-1", Continuous Drain Current Id=2.3A, Current Limit=2.5A, Distribution Switch Case Style=SSOT, Drain Source Voltage Vds=20V, Load Pulsed Current=10A, Manufacturer=Fairchild, On Resistance Rds(on)=0.08ohm, On State Resistance=0.054ohm, Operating Temperature Max=150degC, Operating Temperature Min=-55degC, Operating Temperature Range=-55degCto+150degC, Package / Case=SuperSOT-6, Package Description="6-Pin Small Outline Transistor, Body 2.9 x 1.6 mm, Pitch 0.95 mm", Package Reference=SOT23-6, Package Version="Rev. 5, 05/2015", Power Dissipation Pd=0.7W, Power Load Switch Type=HighSide, Voltage Drop @ Vin 12V=0.2V, Voltage In Min=3V, Voltage Off=8V, Cont Load Current=2.3A, Datasheet URL=https://datasheet.ciiva.com/1572/276121-1572006.pdf, Datasheet Version="Rev. C, 02/1999", Input Voltage=20V, Input Voltage Max=20V, Internal Switch=Yes, Manufacturer URL=https://www.fairchildsemi.com/, No. of Outputs=1, No. of Pins=6, No. of Transistors=2, On / Enable Input Polarity=ActiveHigh, Output Current Max=10A, Package URL=https://www.fairchildsemi.com/package-drawings/MA/MA06A.pdf, Power Dissipation Ptot Max=0.7W, Protection Type=Yes, Pulse Current Idm=10A, SMD Marking=3544916, SVHC=NoSVHC(19-Dec-2012), Thermal Protection=Yes, Transistor Polarity=NandPComplement, Transistor Type=MOSFET, Uni / Bi Directional Polarity=NP, Voltage In Max=20V
U5: library part 74HC573D_[C5608], "74系列逻辑芯片", Package=SOIC-20_300mil, SuppliersPartNumber=C5608, ComponentLink1Description=供?, ComponentLink1URL=http://www.szlcsc.com/product/details_6059.html, Supplier=LC
U7: library part MT8266WIFI, "MT8266WIFI"
U8: library part SMF05CT1G_[C15879]_i, "TVS", Package=SC-70-6(SOT-363), SuppliersPartNumber=C15879, ComponentLink1Description=供?, ComponentLink1URL=http://www.szlcsc.com/product/details_16561.html, Supplier=LC
U9: library part EEPROM/AT24C256C-SSHL-T_[C6482], "EEPROM", Package=SOIC-8_150mil, SuppliersPartNumber=C6482, ComponentLink1Description=供?, ComponentLink1URL=http://www.szlcsc.com/product/details_6947.html, Supplier=LC
U10: library part MAX13487, "IC TXRX RS485/422 8-SOIC", Manufacturer="Maxim Integrated", Max Junction Temp=+150°C, Max Supply Voltage=5.25V, Min Supply Voltage=4.75V, Nominal Supply Current=4.5mA, Package=S8-2, Temperature="-40°C to +85?", Temperature Range High=+85°C, Temperature Range Low=-40°C, Automotive=No, Category=IC, ComponentLink2Description=Datasheet, ComponentLink2URL=https://datasheets.maximintegrated.com/en/ds/MAX13487E-MAX13488E.pdf, Data Rate=500kbits/s, Device Class L1="Integrated Circuits (ICs)", Device Class L2="Interface ICs", Device Class L3="RS-232 / RS-422 / RS-485 Interface ICs", Digikey Description="IC TXRX RS485/422 8-SOIC", Footprint Url=https://pdfserv.maximintegrated.com/land_patterns/90-0096.PDF, Height=1.75mm, Interface=RS-485,RS-422, Lead Free=Yes, Manufacturer Part Number=MAX13487EESA+, Mouser Description="MAX13487 Series 500 kbps 5.25 V Half-Duplex SMT RS 485/422 Transceiver - SOIC-8", Number Of Receivers=1, Number Of Transmitters=1, Octopart=https://octopart.com/max13487eesa%2B-maxim+integrated-42201144, RoHS=TRUE, Simplex Duplex="Half Duplex", Standoff Height=0.1mm
USB1: library part "MicroUSB MOLX-47589-0001", "Right Angle Female Type AB Micro USB Connector, 30 V, 1.8 A, -30 to 85 degC, RoHS, Tape and Reel", Contact Resistance=30mOhm, Manufacturer="Wurth Elektronik", Operating Temperature=-40to85degC, Package Reference=629105150921, Rated Current=1.8A, Working Voltage=30VAC, Connector Type=MicroUSB2.0TypeAB, Datasheet URL=https://katalog.we-online.de/em/datasheet/629105150921.pdf, Gender=Receptacle, Manufacturer URL=http://www.we-online.de, Mounting Technology=SMT, Orientation=Horizontal, Packaging=TapeandReel, Part Number=629105150921, Publisher=WurthElektronik
USB2: library part "USB 3.0 Type A", "USB 3.0 Type A Receptacle WR-COM, Horizontal, THT", Contact Resistance=50mOhm, Manufacturer="Wurth Elektronik", Operating Temperature=-20to85degC, Package Reference=692121030100, Rated Current=0.25A, Working Voltage=30VAC, Connector Type=USB3.0TypeA, Datasheet URL=https://katalog.we-online.de/em/datasheet/692121030100.pdf, Gender=Receptacle, Manufacturer URL=http://www.we-online.de, Mounting Technology=THT, Orientation=Horizontal, Packaging=TapeandReel, Part Number=692121030100, Publisher=WurthElektronik
VR1: library part "SOT-223 AMS1117-3.3", "低压差线性稳压(LDO)", Package=SOT-223, SuppliersPartNumber=C6186, ComponentLink1Description=供?, ComponentLink1URL=http://www.szlcsc.com/product/details_6652.html, Supplier=LC
Y1: library part "XTAL SMD-5032_4P 8MHz 10ppm 20pF", "贴片晶振; 402F40012IKR; 8MHz 10ppm 20pF -40C +85C", CLASS=IC
Y2: library part "XTAL SMD-3225 32.768KHz", "有源贴片晶振", CLASS=IC
Y3: library part XTAL-MC306, "4脚晶振"

## Via types
v1: diameter 23.62, hole 11.81, Top Layer to Bottom Layer, 761 vias
v2: diameter 40, hole 20, Top Layer to Bottom Layer, 31 vias

## Nets (pads, with @x,y where several pads share a name; then routed paths per layer and width w, separated by ;. In a path a pad name is that pad's centre, name@x,y a point inside that pad or via, vN(x,y) a via of type N, cw(c..) or ccw(c..) an arc to the next point about the centre after c; other vN are vias at no path point)
+3.3V_USB: D3.2 F1.1 P1.1 | length 207.1
  Top Layer w20: F1.1@535,3465 535,3665 P1.1@540,3670
+3.3V_VCC: C23.2 C24.1 C34.2 C53.1 CB6.1 CB7.1 CB12.2 D1.1 Q3.2 R24.2 R31.2 R75.1 R76.1 S3.3 TP1.1 U9.8 VR1.2 | length 5709.2
  Top Layer w10: v2@1838.46,1153.46 v2@1845,1160 ; U9.8@1847.36,1060 C53.1@1926.54,1060
  Top Layer w15: CB6.1@1415,1890 1415,1880.16 1380.69,1845.85 1380.69,1789.31 1396.36,1773.64 1396.36,1753.84 1405.2,1745 D1.1@1408.54,1745 1400,1736.46 1400,1290.14 1430.14,1260 1805,1260 1845,1220 v2@1845,1160 ; C53.1@1926.54,1060 1926.54,1121.54 1980,1175 2135,1175 2197.66,1175 2200,1177.34 CB12.2@2200,1185
  Top Layer w20: R31.2@630.32,760 C34.2@720,760 728.31,768.31 728.31,786.37 777.41,835.47 819.53,835.47 845,810 845,635 870,610 TP1.1@942.5,610 1015,610 1030,595 C24.1@1030,528.43 ; R31.2@635.63,760 639.61,763.98 639.61,824.13 Q3.2@642.4,826.93 ; R75.1@1720,1153.46 R76.1@1775,1153.46 v2@1838.46,1153.46 ; 1844.55,1078.09 v2@1844.55,1152.38 ; 2135,1175 2135,1580 2165,1610 2261.35,1610 2355,1703.65 v2(2355,1735) ; CB7.1@2312.95,2023.98 2325,2023.98 2325.16,2023.83
  Top Layer w30: C24.1@1030,528.11 1030,528.43 1034.69,533.11 1221.89,533.11 ; R24.2@1209.37,630 1209.37,545.63 1221.89,533.11 ; VR1.2@1315,296.89 VR1.2@1315,533.11 ; C23.2@1489.68,510 1489.68,510.98 1486.38,514.29 1333.82,514.29 VR1.2@1315,533.11 ; v2(1495,580) 1482.29,580 1435.4,533.11 VR1.2@1315,533.11 ; v2@1844.55,1152.38 v2(1844.55,1153.92) ; 1221.89,533.11 VR1.2@1315,533.11
  Bottom Layer w20: v2@2350,2022.65 2355,2017.65 v2(2355,1735)
  Bottom Layer w30: v2(1495,580) 1495,695 1345,845 1345,972.43 1362.57,990 1795,990 1844.55,1039.55 v2(1844.55,1153.92)
  other v2: 2350,2023.83